# Allegro board RK3588S_Template_LP4XD200P232SD10H2_30X30_2133MHz_H1R6_V11_20220218YWQ.brd (continued)
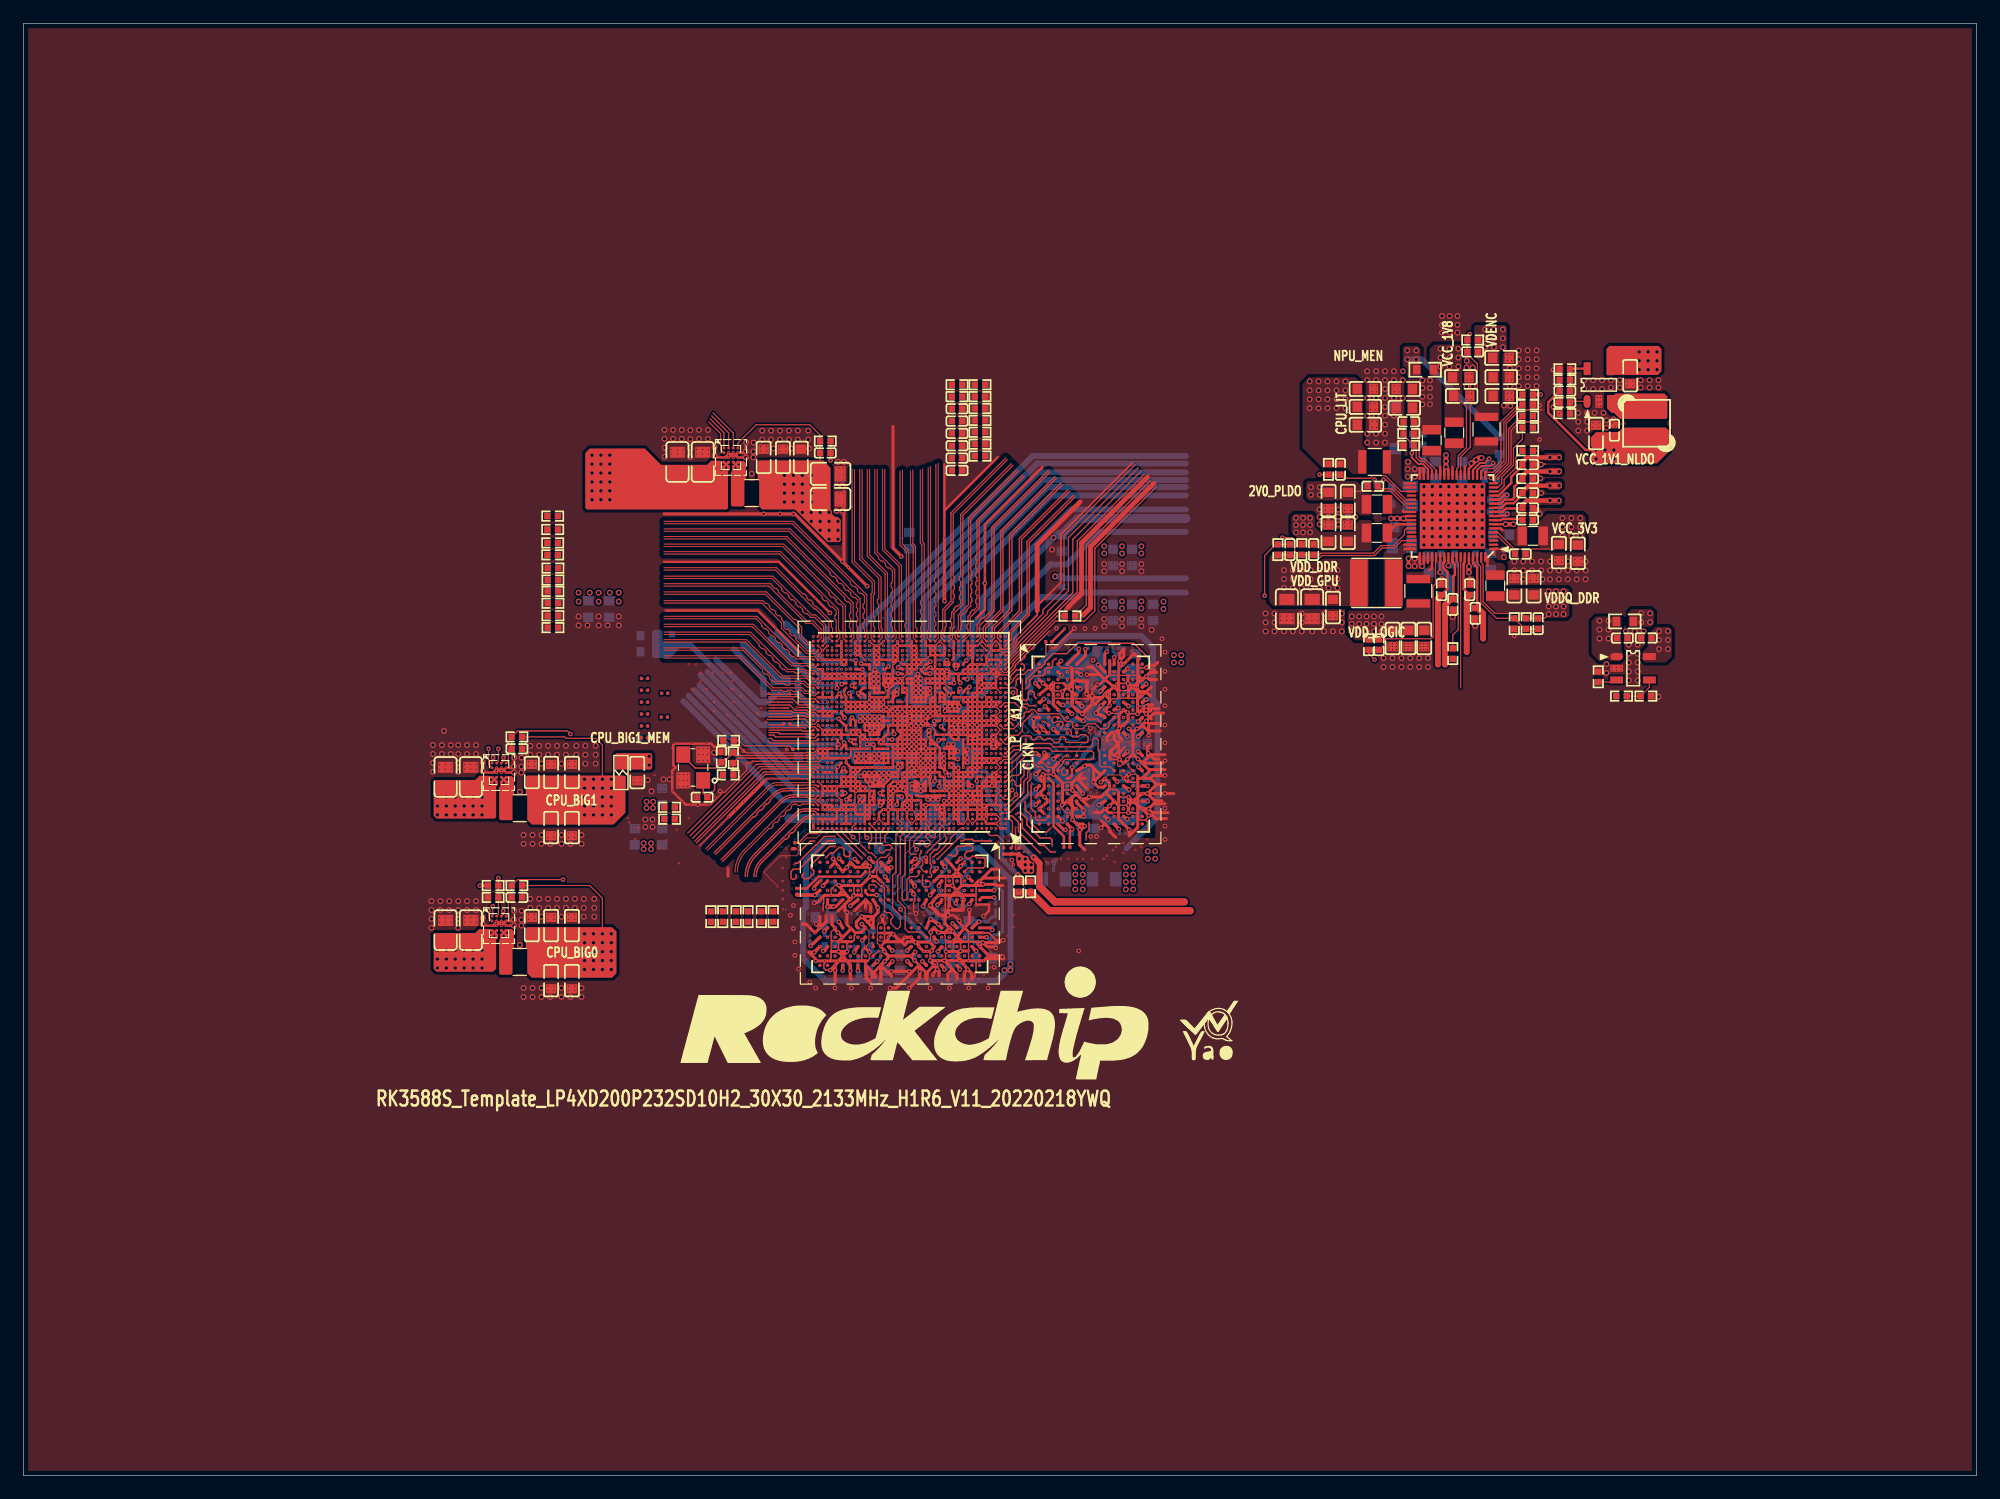
[diagram p0: board, top side]
## Routing (per net, layer and track width the routed paths; a pad name or vN(x,y) marks a point on that pad's centre or on a via; arc(x,y) is an arc through that point) (continued)
DDR_CH1_CLKP_C: length 11.1
  L3-S1 w0.066: v2(76.5,46.8) 76.5,46.51 76.44,46.45 76.36,46.45 75.95,46.86 75.95,47.97 75.68,48.24 75.5,48.24 75.44,48.31 75.44,48.65 75.5,48.72 75.65,48.72 75.82,48.88 75.82,48.98 75.82,48.98 75.82,49.32 75.82,49.32 75.82,49.39 75.61,49.6 75.61,50.04 75.48,50.17 75.48,50.62 75.61,50.75 75.61,52.87 75.83,53.09 75.83,56.04 v2(75.89,56.1)
DDR_CH1_CLKP_D: length 16.1
  L3-S1 w0.066: v2(75.09,56.1) 75.13,56.06 75.13,55.07 75.03,54.97 75.03,54.76 75.13,54.66 75.13,54.43 75.03,54.33 75.03,54.13 75.13,54.02 75.13,53.5 74.73,53.09 74.73,52.95 74.73,52.13 74.56,51.97 74.56,51.34 74.76,51.15 74.76,49.5 74.47,49.21 74.11,49.21 73.61,48.72 73.61,48.34 73.78,48.18 74.39,48.18 74.5,48.06 74.5,47.73 74.39,47.62 74.1,47.62 73.85,47.37 73.85,46.91 74.01,46.74 74.12,46.63 74.74,46.63 74.81,46.56 74.81,45.66 74.74,45.59 74.26,45.59 74.17,45.68 74.17,45.96 73.85,46.27 73.36,46.27 73.28,46.35 73.28,46.79 v2(73.29,46.8)
DDR_CH1_DM0_C: length 11.1
  L3-S1 w0.076: v3(80.31,50.5) 80.38,50.57 v2(80.38,50.8) ; v3(77.1,56.6) 77.11,56.6 77.41,56.9 v2(77.49,56.9)
  L8-S3 w0.076: v3(77.1,56.6) 77.18,56.53 77.18,56.03 76.49,55.35 76.49,53.8 76.64,53.65 76.64,53.56 76.64,53.56 76.64,52.53 77.85,51.32 77.85,50.16 78.23,49.78 79.59,49.78 v3(80.31,50.5)
DDR_CH1_DM0_D: length 13.4
  L3-S1 w0.076: v2(73.49,56.5) 73.24,56.24 v3(73.1,56.24) ; v3(68.98,52.25) 68.93,52.25 68.46,51.78 68.46,51.46 69.15,50.77 v2(69.31,50.77)
  L8-S3 w0.076: v3(68.98,52.25) 68.83,52.39 68.83,52.92 68.96,53.05 69.39,53.05 69.47,53.13 69.47,53.26 69.39,53.34 68.94,53.34 68.86,53.42 68.86,53.61 68.94,53.69 69.41,53.69 69.48,53.76 69.48,53.92 69.41,54 69.2,54 69.13,54.08 69.13,54.24 69.2,54.32 69.41,54.32 69.48,54.39 69.48,54.55 69.41,54.63 69.2,54.63 69.13,54.71 69.13,54.87 69.2,54.95 69.41,54.95 69.48,55.02 69.48,55.18 69.41,55.26 69.2,55.26 69.13,55.34 69.13,55.49 69.2,55.57 72.33,55.57 72.51,55.74 73.02,55.74 73.1,55.83 v3(73.1,56.24)
DDR_CH1_DM1_C: length 15.6
  L3-S1 w0.076: v2(80.43,45.17) v3(80.72,45.46) ; v2(79.09,56.5) 79.76,55.84 79.76,55.63 80.01,55.37 80.01,54.99 80.52,54.48 80.98,54.48 81.26,54.2 81.73,54.2 82.38,53.55 82.38,52.73 82.44,52.67 82.59,52.52 82.59,52.51 82.59,51.52 83.66,50.45 83.66,47.46 v3(83.57,47.37)
  L8-S3 w0.076: v3(83.57,47.37) 82.63,47.37 v3(80.72,45.46)
DDR_CH1_DM1_D: length 16.4
  TOP w0.127: v2(69.32,54.61) 68.45,54.61 67.69,53.85 67.67,53.85 66.17,52.34 66,52.34 v2(65.89,52.22)
  L3-S1 w0.076: v2(69.35,45.2) 69.09,45.46 68.83,45.46 68.75,45.38 68.75,45.29 68.67,45.21 68.52,45.21 68.44,45.29 68.44,45.38 68.36,45.46 68.08,45.46 66.14,47.39 66.14,49.43 65.66,49.91 65.66,52 v2(65.89,52.22) ; v2(69.32,54.61) 69.34,54.61 69.98,55.24 70.15,55.24 71,56.1 v2(71.09,56.1)
DDR_CH1_DQ0_C: length 11
  L3-S1 w0.076: v2(76.29,55.7) 76.34,55.75 76.46,55.75 76.58,55.63 76.58,55.47 76.66,55.39 76.88,55.39 76.96,55.31 76.96,55.11 76.88,55.03 76.42,55.03 76.34,54.96 76.34,54.84 76.42,54.76 76.99,54.76 77.44,54.31 77.44,54.13 77.57,54 77.75,54 77.85,53.9 77.85,53.72 77.98,53.59 78.16,53.59 78.49,53.27 78.49,53.08 78.85,52.72 79.13,52.72 79.2,52.78 79.63,52.78 79.71,52.71 79.71,52.53 79.84,52.41 80.22,52.41 80.31,52.5 80.43,52.5 80.63,52.3 80.63,52.18 80.46,52.01 80.46,51.91 80.55,51.82 80.55,51.72 80.48,51.66 80.39,51.66 80.3,51.74 80.19,51.74 80.08,51.63 80.08,51.52 80.26,51.34 80.49,51.34 80.6,51.44 80.65,51.44 80.77,51.56 80.77,51.88 80.85,51.96 80.97,51.96 81.05,51.88 v2(81.05,51.63)
DDR_CH1_DQ0_D: length 12.8
  L3-S1 w0.076: v3(70.38,52.45) 70.34,52.41 69.71,52.41 68.96,51.65 v2(68.7,51.65) ; v2(74.69,55.3) 74.68,55.28 74.68,53.89 v3(74.63,53.84)
  L8-S3 w0.076: v3(74.63,53.84) 75.3,53.84 75.44,53.97 75.44,55.42 75.23,55.63 74.6,55.63 74.2,55.23 72.75,55.23 72.52,54.99 72.01,54.99 70.69,53.67 70.69,53.03 70.7,53.02 70.7,52.77 v3(70.38,52.45)
DDR_CH1_DQ1_C: length 14.1
  TOP w0.127: v2(79.06,53.02) 79.27,53.02 79.38,52.92 79.59,52.92 79.81,53.14 79.81,53.35 79.7,53.45 79.7,53.67 79.81,53.77 80.47,53.77 80.54,53.85 80.96,53.85 81.11,53.7 81.11,53.48 80.97,53.34 80.64,53.34 80.43,53.13 80.43,52.92 80.65,52.7 80.86,52.7 81.09,52.93 81.31,52.93 81.44,52.79 82.05,52.79 82.17,52.67 82.17,52.08 82.02,51.93 80.73,51.93 U3801.C2
  L3-S1 w0.076: v2(79.06,53.02) 79.05,53.01 78.94,53.01 78.76,53.19 78.76,53.36 77.19,54.93 77.19,55.59 77.11,55.66 76.89,55.66 76.51,56.05 76.51,56.59 76.29,56.81 v2(76.29,56.9)
DDR_CH1_DQ1_D: length 12.9
  L3-S1 w0.076: v2(74.29,56.1) v3(74.29,55.8) ; v3(69.86,52.06) 69.4,51.6 v2(69.35,51.6)
  L8-S3 w0.076: v3(74.29,55.8) 73.98,55.48 72.63,55.48 72.46,55.31 71.07,55.31 70.99,55.23 70.99,55.14 70.91,55.06 70.76,55.06 70.68,55.14 70.68,55.23 70.6,55.31 69.82,55.31 69.74,55.23 69.74,55.07 69.82,54.99 70.41,54.99 70.48,54.91 70.48,54.75 70.41,54.67 69.82,54.67 69.74,54.6 69.74,54.44 69.82,54.36 70.53,54.36 70.61,54.28 70.61,54.12 70.53,54.04 69.82,54.04 69.74,53.97 69.74,53.81 69.82,53.73 70.07,53.73 70.15,53.65 70.15,53.49 70.07,53.41 69.87,53.41 69.8,53.34 69.8,53.16 70.02,52.94 70.02,52.23 69.86,52.07 v3(69.86,52.06)
DDR_CH1_DQ2_C: length 8.4
  L3-S1 w0.076: v3(77.24,53.83) 77.24,54.21 76.86,54.58 76.23,54.58 76.15,54.66 76.15,55.16 v2(76.29,55.3) ; v2(79.1,51.64) 79.12,51.65 79.68,51.65 79.76,51.73 79.76,51.93 79.68,52.01 79.18,52.01 79.06,52.13 79.06,52.15 78.87,52.33 78.86,52.33 78.1,53.09 v3(78.1,53.17)
  L8-S3 w0.076: v3(78.1,53.17) 78.33,52.95 78.44,52.95 78.73,53.24 78.73,53.35 77.97,54.11 77.73,54.11 77.45,53.83 v3(77.24,53.83)
DDR_CH1_DQ2_D: length 12
  L3-S1 w0.076: v2(70.65,51.63) 70.72,51.69 70.72,52.54 70.71,52.54 70.71,52.85 v3(71.03,53.17) ; v3(74.35,54.62) 74.35,55.3 74.69,55.64 v2(74.69,55.7)
  L8-S3 w0.076: v3(71.03,53.17) 71.03,53.52 71.11,53.59 71.91,53.59 72.09,53.41 72.2,53.41 72.32,53.52 72.32,53.64 72.06,53.89 72.06,54 72.17,54.12 72.28,54.12 72.41,53.99 72.52,53.99 72.63,54.1 72.63,54.21 72.5,54.34 72.5,54.6 72.88,54.97 74.31,54.97 74.71,55.37 75.1,55.37 75.18,55.29 75.18,55.01 75.1,54.93 75.01,54.93 74.93,54.86 74.93,54.7 75.01,54.62 75.1,54.62 75.18,54.54 75.18,54.23 75.1,54.15 74.83,54.15 v3(74.35,54.62)
DDR_CH1_DQ3_C: length 9.9
  L3-S1 w0.076: v2(76.29,57.3) 76.69,56.9 v3(76.7,56.9) ; v2(78.45,51.6) 78.36,51.69 78.36,52.31 v3(78.35,52.33)
  L8-S3 w0.076: v3(76.7,56.9) 76.74,56.94 77.3,56.94 77.47,56.77 77.47,55.97 76.83,55.33 76.83,55.22 76.91,55.14 77.39,55.14 77.47,55.06 77.47,54.91 77.39,54.83 76.91,54.83 76.83,54.75 76.83,54.59 76.91,54.51 77.39,54.51 77.47,54.43 77.47,54.28 77.39,54.2 76.91,54.2 76.83,54.12 76.83,53.98 76.89,53.92 76.89,53.69 77.05,53.54 77.05,53.34 77.23,53.15 77.52,53.15 v3(78.35,52.33)
DDR_CH1_DQ3_D: length 10.7
  L3-S1 w0.076: v3(71.07,51.94) 71.3,51.71 v2(71.3,51.6) ; v3(73,54.61) 73.09,54.7 v2(73.09,55.3)
  L8-S3 w0.076: v3(73,54.61) 73,54.1 72.66,53.76 72.66,53.16 72.58,53.09 72.14,53.09 71.88,52.83 71.88,52.48 71.96,52.41 72.56,52.41 72.66,52.3 72.66,51.87 72.52,51.73 72.52,51.56 72.6,51.48 72.73,51.48 72.9,51.31 72.9,50.77 72.67,50.54 71.94,50.54 71.77,50.71 71.77,50.82 72,51.05 72,51.3 71.92,51.38 71.74,51.38 71.66,51.46 71.66,51.62 71.74,51.7 71.86,51.7 71.94,51.78 71.94,51.89 71.76,52.07 71.63,52.07 71.5,51.94 v3(71.07,51.94)
DDR_CH1_DQ4_C: length 12.6
  L3-S1 w0.076: v2(78.45,50) 78.52,50 78.68,49.84 78.81,49.84 78.99,49.66 79.12,49.66 79.38,49.4 79.76,49.4 79.91,49.25 81.51,49.25 81.79,49.53 81.79,50.19 81.56,50.42 81.56,51.88 81.56,52.09 80.35,53.3 79.54,53.3 77.6,55.24 77.6,56 v2(77.49,56.1)
DDR_CH1_DQ4_D: length 13.1
  L3-S1 w0.076: v3(71.61,50.03) 71.33,50.03 v2(71.3,50) ; v3(73.99,56.37) 74.16,56.37 v2(74.29,56.5)
  L8-S3 w0.076: v3(73.99,56.37) 74.23,56.37 74.56,56.05 75.26,56.05 75.69,55.61 75.69,53.58 75.61,53.51 75.14,53.51 75.06,53.43 75.06,53.27 75.14,53.19 75.61,53.19 75.69,53.11 75.69,52.72 75.51,52.55 75.4,52.55 75.08,52.87 74.97,52.87 74.86,52.76 74.86,52.65 75.18,52.32 75.18,52.21 74.74,51.77 74.74,51.37 74.04,50.67 73.53,50.67 72.88,50.03 v3(71.61,50.03)
DDR_CH1_DQ5_C: length 8.8
  L3-S1 w0.076: v2(79.1,50) v3(78.89,50.22) ; v2(77.89,56.1) 78.27,55.72 v3(78.33,55.72)
  L8-S3 w0.076: v3(78.89,50.22) 78.16,50.94 78.16,51.46 78.36,51.66 78.83,51.66 79.18,52.01 79.54,52.01 79.74,52.21 79.74,52.22 79.74,52.72 77.85,54.61 77.85,55.24 v3(78.33,55.72)
DDR_CH1_DQ5_D: length 11.3
  L3-S1 w0.076: v3(74.04,53.59) 74.04,53.79 73.85,53.97 73.85,54.94 v2(73.09,55.7) ; v3(70.44,49.74) v2(70.65,49.96)
  L8-S3 w0.076: v3(70.44,49.74) 70.57,49.87 71.04,49.87 71.12,49.95 71.12,50.55 71.28,50.71 71.41,50.71 71.83,50.28 72.78,50.28 73.15,50.66 73.15,51.31 73.38,51.54 73.96,51.54 74.04,51.46 74.04,51.31 74.12,51.23 74.23,51.23 74.48,51.48 74.48,52.85 74.04,53.3 v3(74.04,53.59)
DDR_CH1_DQ6_C: length 12.7
  L3-S1 w0.076: v2(80.4,50) 80.47,49.93 80.47,49.86 80.39,49.78 80.14,49.78 80.01,49.91 80.01,50.14 79.93,50.22 79.68,50.22 79.4,49.94 79.4,49.74 79.48,49.66 79.88,49.66 80.01,49.53 80.73,49.53 80.8,49.61 80.8,50.32 81.31,50.83 81.31,51.98 80.25,53.04 79.43,53.04 79.39,53.09 77.39,55.09 77.39,55.76 77.27,55.88 77.27,56.28 v2(77.49,56.5)
DDR_CH1_DQ6_D: length 15.1
  TOP w0.127: v2(68.57,52.81) 68.98,53.21 69.21,53.21 69.67,53.67 69.95,53.67 70.1,53.52 70.1,53.04 70.26,52.89 70.52,52.89 70.61,52.98 v2(70.61,53.3)
  L3-S1 w0.076: v2(68.57,52.81) 68.52,52.81 68.11,52.4 68.11,52.11 68.2,52.02 68.2,51.37 68.96,50.6 68.96,49.79 69.58,49.18 69.75,49.18 70.1,49.53 70.1,49.79 69.85,50.04 69.37,50.04 v2(69.31,49.98) ; v2(70.61,53.3) 70.61,53.44 70.69,53.51 71.68,53.51 71.77,53.43 71.91,53.43 72.01,53.53 72.01,53.72 72.64,54.36 72.64,54.86 72.71,54.93 72.83,54.93 72.9,55 72.9,55.09 72.83,55.16 72.71,55.16 72.64,55.23 72.64,55.37 72.77,55.5 72.77,55.69 73.01,55.93 73.41,55.93 73.49,56 v2(73.49,56.1)
DDR_CH1_DQ7_C: length 11.3
  L3-S1 w0.076: v3(81.33,50.17) 81.22,50.17 v2(81.05,50) ; v2(77.89,56.5) 77.89,56.71 v3(77.98,56.79)
  L8-S3 w0.076: v3(77.98,56.79) 78.53,56.24 81.67,56.24 82.19,55.71 82.19,55.5 82.29,55.4 82.29,51.31 81.33,50.34 v3(81.33,50.17)
DDR_CH1_DQ7_D: length 14.5
  L3-S1 w0.076: v2(68.7,50) 68.61,50.09 68.5,50.09 68.33,49.92 68.33,49.58 68.4,49.5 68.47,49.5 68.54,49.42 68.54,49.26 68.39,49.11 68.24,49.11 67.99,49.36 67.99,49.91 67.88,50.02 67.88,50.63 67.96,50.71 68.16,50.71 68.27,50.82 68.27,50.93 67.82,51.38 67.52,51.38 67.45,51.46 67.45,51.59 67.52,51.67 67.86,51.67 67.94,51.74 67.94,51.86 67.86,51.93 67.52,51.93 67.45,52.01 67.45,52.15 67.53,52.23 67.78,52.23 67.86,52.31 67.86,52.56 68.36,53.06 69.85,53.06 70,53.21 70.12,53.21 70.3,53.4 70.3,53.52 70.51,53.73 71.75,53.73 72.43,54.41 72.43,54.6 72.32,54.72 72.32,54.92 72.42,55.02 72.42,55.52 72.52,55.63 72.52,55.85 72.69,56.03 v2(72.69,56.1)
DDR_CH1_DQ8_C: length 17.4
  L3-S1 w0.076: v2(80.29,56.5) 80.53,56.26 81.03,56.26 81.1,56.33 81.57,56.33 82.08,55.82 82.08,55.59 82.23,55.43 82.23,54.29 82.89,53.63 82.89,53.1 83.31,52.68 83.31,52.09 83.39,52.01 83.74,52.01 83.82,51.93 83.82,51.78 83.74,51.7 83.34,51.7 83.18,51.55 83.18,51.39 83.26,51.31 83.74,51.31 83.82,51.23 83.82,50.68 83.92,50.58 83.92,46.89 83.15,46.12 83.04,46.12 82.92,46.24 82.81,46.24 82.7,46.12 82.7,46.01 82.82,45.9 82.82,45.78 81.43,44.4 v2(81.05,44.4)
DDR_CH1_DQ8_D: length 17
  TOP w0.127: v2(66.43,53.42) 67.22,54.21 v2(67.56,54.21)
  L3-S1 w0.076: v2(70.69,56.5) 70.26,56.07 70.26,55.95 70.04,55.73 69.78,55.73 69.12,55.06 69.12,55.06 68.76,54.7 68.55,54.7 68.05,54.21 v2(67.56,54.21) ; v2(68.7,44.4) 68.25,44.4 67.94,44.7 67.94,45.21 65.89,47.27 65.89,48.03 65.15,48.77 65.15,52.32 66.24,53.42 v2(66.43,53.42)
DDR_CH1_DQ9_C: length 16.4
  L3-S1 w0.076: v2(79.49,55.7) 79.49,55.64 79.86,55.27 79.86,54.82 80.45,54.23 80.9,54.23 81.15,53.98 81.68,53.98 82.12,53.53 82.12,52.63 82.33,52.41 82.33,52.41 82.33,51.4 82.9,50.83 82.9,50.72 82.82,50.64 82.82,50.53 82.93,50.42 83.04,50.42 83.12,50.5 83.23,50.5 83.4,50.33 83.4,49.02 83.32,48.94 83.26,48.94 83.18,48.86 83.18,48.71 83.26,48.63 83.32,48.63 83.4,48.55 83.4,48.39 83.32,48.31 83.26,48.31 83.18,48.23 83.18,48.08 83.26,48 83.32,48 83.4,47.92 83.4,47.75 81.84,46.19 81.84,45.9 81.06,45.12 81.06,44.85 80.98,44.77 80.87,44.77 80.72,44.92 80.61,44.92 80.5,44.81 80.5,44.69 80.67,44.52 80.67,44.4 80.59,44.33 80.48,44.33 v2(80.4,44.4)
DDR_CH1_DQ9_D: length 20.5
  L3-S1 w0.076: v2(72.69,56.5) 72.46,56.5 v3(72.39,56.57) ; v3(69.12,44.63) v2(69.35,44.4)
  L8-S3 w0.076: v3(72.39,56.57) 72.38,56.58 71.85,56.58 71.4,56.13 69.72,56.13 69.43,56.42 67.18,56.42 65.15,54.4 65.15,48.77 69.12,44.8 v3(69.12,44.63)
DDR_CH1_DQ10_C: length 18.4
  TOP w0.127: v2(82.68,54.23) 81.21,54.23 81.08,54.36 80.42,54.36 80.29,54.23 v2(80.14,54.23)
  L3-S1 w0.076: v2(79.1,44.4) 79.44,44.07 81.47,44.07 84.17,46.77 84.17,50.68 84.07,50.78 84.07,52.07 83.57,52.58 83.57,52.79 83.15,53.21 83.15,53.76 v2(82.68,54.23) ; v2(80.14,54.23) 79.63,54.74 79.63,55.16 v2(79.49,55.3)
DDR_CH1_DQ10_D: length 20.9
  L3-S1 w0.076: v2(72.69,56.9) 72.26,56.9 71.97,56.6 71.97,55.66 72.14,55.5 72.14,55.02 71.09,53.98 70.39,53.98 69.74,53.32 68.25,53.32 67.19,52.26 67.19,49.49 67.4,49.28 67.67,49.28 68.17,48.79 68.43,48.79 68.58,48.94 69.46,48.94 69.75,48.65 69.75,48.25 70.48,47.52 70.48,47.38 72,45.87 72,45.61 71.67,45.28 71.67,44.4 71.43,44.16 70.9,44.16 v2(70.65,44.4)
DDR_CH1_DQ11_C: length 16.4
  L3-S1 w0.076: v2(80.29,56.1) 80.07,55.88 80.07,55.61 80.26,55.42 80.26,55.12 80.64,54.74 81.04,54.74 81.36,54.42 81.78,54.42 82.63,53.57 82.63,52.84 v3(82.93,52.54) ; v3(78.49,45.13) 78.49,44.43 v2(78.45,44.4)
  L8-S3 w0.076: v3(78.49,45.13) 78.49,45.38 78.34,45.52 78.34,45.96 78.99,46.6 78.99,47.24 79.33,47.58 79.33,48.09 80.13,48.89 80.13,49.17 80.41,49.44 81.11,49.44 81.23,49.33 81.72,49.33 82.16,49.78 82.16,50.17 82.55,50.56 82.55,52.16 v3(82.93,52.54)
DDR_CH1_DQ11_D: length 18.6
  L3-S1 w0.076: v2(71.49,56.9) 71.75,56.64 71.75,55.5 71.88,55.37 71.88,55 71.66,54.78 71.55,54.78 70.99,54.22 70.32,54.22 69.62,53.52 68.09,53.52 66.93,52.36 66.93,48.98 68.03,47.88 68.15,47.88 68.53,47.5 68.74,47.5 69.25,46.98 70.08,46.98 70.91,46.16 70.91,46.02 71.41,45.52 71.41,44.51 v2(71.3,44.4)
DDR_CH1_DQ12_C: length 13.6
  L3-S1 w0.076: v3(81.78,53.09) 81.66,53.09 80.77,53.98 79.88,53.98 79.41,54.45 79.41,55.07 79.27,55.21 79.27,55.92 v2(79.09,56.1) ; v3(78.64,47.46) 78.75,47.36 78.75,47.12 78.61,46.99 78.61,46.74 78.7,46.65 78.7,46.44 78.45,46.2 v2(78.45,46)
  L8-S3 w0.076: v3(78.64,47.46) 78.64,47.98 78.88,48.21 78.88,48.78 79.5,49.4 79.88,49.4 81.78,51.3 v3(81.78,53.09)
DDR_CH1_DQ12_D: length 15.8
  L3-S1 w0.076: v2(71.49,55.7) 71.23,55.7 70.27,54.74 70.15,54.74 69.42,54 69.24,54 68.96,53.72 67.93,53.72 66.68,52.47 66.68,51.82 66.31,51.45 v3(66.31,50.8) ; v2(71.3,46) 71.3,46.13 70.1,47.33 70.1,47.52 69.53,48.09 68.35,48.09 67.91,48.53 v3(67.86,48.53)
  L8-S3 w0.076: v3(66.31,50.8) 66.67,50.43 66.67,49.28 67.42,48.53 v3(67.86,48.53)
DDR_CH1_DQ13_C: length 17.2
  L3-S1 w0.076: v2(79.09,56.9) 79.24,56.9 v3(79.44,56.7) ; v2(79.1,46.05) 79.15,46.1 79.5,46.1 79.88,46.48 79.88,46.74 80.39,47.24 v3(80.39,47.88)
  L8-S3 w0.076: v3(80.39,47.88) 80.39,48.86 80.69,49.16 81.04,49.16 81.12,49.07 81.82,49.07 82.42,49.68 82.42,50.07 83.27,50.91 83.27,52.75 82.68,53.34 82.68,55.38 82.45,55.6 82.45,55.89 82.56,55.99 82.56,56.26 82.3,56.52 81.53,56.52 81.13,56.92 80.39,56.92 80.15,56.68 79.46,56.68 v3(79.44,56.7)
DDR_CH1_DQ13_D: length 16.2
  L3-S1 w0.076: v2(70.65,46.05) 69.98,46.73 69.15,46.73 68.63,47.24 68.3,47.24 v3(68.01,47.54) ; v3(65.8,49.23) 65.41,49.63 65.41,52.2 65.73,52.52 66.36,52.52 67.82,53.98 68.2,53.98 68.71,54.48 68.84,54.48 69.86,55.5 70.09,55.5 v2(70.69,56.1)
  L8-S3 w0.076: v3(68.01,47.54) 66.32,49.23 v3(65.8,49.23)
DDR_CH1_DQ14_C: length 15.6
  L3-S1 w0.076: v2(77.89,55.3) 79.63,53.55 80.46,53.55 81.82,52.2 81.82,51.13 82.11,50.84 82.11,50.84 82.3,50.65 82.3,50.39 82.3,50.38 82.3,50.16 82.22,50.08 82.12,50.08 82.04,50 82.04,49.84 82.12,49.77 82.22,49.77 82.3,49.69 82.3,49.65 82.29,49.64 82.29,49.53 82.22,49.45 82.12,49.45 82.04,49.37 82.04,49.21 82.12,49.14 82.22,49.14 82.3,49.06 82.3,48.64 82.22,48.56 82.11,48.56 81.71,48.96 81.6,48.96 81.49,48.85 81.49,48.74 81.88,48.34 81.88,48.23 81.7,48.04 81.58,48.04 81.36,48.26 81.25,48.26 81.14,48.15 81.14,48.04 81.23,47.94 81.23,47.83 81.12,47.72 81.01,47.72 81,47.74 80.88,47.74 80.77,47.63 80.77,47.51 80.92,47.37 80.92,47.26 80.77,47.12 80.63,47.12 80.14,46.63 80.14,46.1 80.24,46 v2(80.4,46)
DDR_CH1_DQ14_D: length 16.9
  TOP w0.127: v2(69.21,54.24) 68.72,54.24 66.29,51.82 65.79,51.82 65.58,51.61 65.58,51.08 65.71,50.95 65.89,50.95 66.01,51.08 v2(66.01,51.31)
  L3-S1 w0.076: v2(69.21,54.24) 69.36,54.24 70.1,54.99 70.2,54.99 71.09,55.88 71.27,55.88 v2(71.49,56.1) ; v2(69.35,46) 69.1,45.74 68.18,45.74 66.4,47.52 66.4,49.53 65.97,49.97 65.97,51.26 v2(66.01,51.31)
DDR_CH1_DQ15_C: length 16.4
  L3-S1 w0.076: v2(81.13,45.99) 80.99,45.86 80.99,45.75 81.09,45.64 81.2,45.64 81.57,46.01 81.57,46.12 81.26,46.42 81.26,46.54 81.4,46.68 81.59,46.68 81.72,46.55 81.84,46.55 81.92,46.63 81.92,46.74 81.79,46.88 81.79,46.99 81.85,47.05 81.86,47.05 81.91,47.1 82.01,47.1 82.14,46.96 82.25,46.96 82.37,47.07 82.37,47.19 82.21,47.34 82.21,47.45 82.33,47.56 82.44,47.56 82.59,47.41 82.7,47.41 82.93,47.64 82.93,48.13 82.85,48.21 82.63,48.21 82.55,48.28 82.55,48.44 82.63,48.52 82.85,48.52 82.93,48.6 82.93,48.76 82.85,48.84 82.64,48.84 82.56,48.91 82.56,49.26 82.55,49.27 82.55,49.54 82.56,49.54 82.56,50.76 82.22,51.1 82.21,51.1 82.08,51.23 82.08,51.66 82.08,52.3 80.6,53.77 79.7,53.77 78.11,55.37 78.11,55.48 v2(77.89,55.7)
DDR_CH1_DQ15_D: length 16.5
  TOP w0.127: v2(69.34,53.76) 68.88,53.76 67.26,52.14 67.26,51.93 67.52,51.67 67.52,51.45 67.08,51.01 66.7,51.01 66.55,51.16 66.55,51.33 v2(66.66,51.44)
  L3-S1 w0.076: v2(66.66,51.44) 66.66,48.59 66.81,48.44 67.1,48.44 67.18,48.36 67.18,48.2 67.1,48.12 66.81,48.12 66.74,48.04 66.74,47.66 66.85,47.55 66.96,47.55 67.42,48.01 67.53,48.01 67.64,47.9 67.64,47.78 67.18,47.32 67.18,47.12 68.3,46 v2(68.7,46) ; v2(69.34,53.76) 69.51,53.76 70.23,54.48 70.36,54.48 71.18,55.3 v2(71.49,55.3)
DDR_CH1_DQS0N_C: length 7.5
  L3-S1 w0.066: v2(80.69,55.7) 80.69,55.65 80.78,55.56 80.93,55.56 81.08,55.41 81.28,55.41 v3(81.48,55.61)
  L3-S1 w0.069: v3(78.99,51.07) 79.08,50.98 v2(79.08,50.77)
  L8-S3 w0.066: v3(78.99,51.07) 79.19,51.26 79.19,51.37 79.39,51.57 80.08,51.57 80.73,52.23 80.73,53.01 80.62,53.12 80.62,53.31 80.73,53.42 80.73,55.07 81.06,55.41 81.28,55.41 v3(81.48,55.61)
DDR_CH1_DQS0N_D: length 7.6
  L3-S1 w0.069: v2(67.89,55.3) 67.65,55.3 v3(67.58,55.23) ; v3(70.45,51.07) 70.63,50.88 v2(70.63,50.77)
  L8-S3 w0.066: v3(67.58,55.23) 67.39,55.43 67.32,55.43 67.25,55.36 67.25,54.99 67.75,54.49 67.75,52.47 68.54,51.69 68.78,51.69 68.78,51.69 69.49,51.69 69.5,51.68 69.5,51.68 69.7,51.48 70.01,51.48 70.17,51.33 70.17,51.26 70.22,51.2 70.22,51.19 70.35,51.07 v3(70.45,51.07)
DDR_CH1_DQS0P_C: length 7.1
  L3-S1 w0.066: v3(81.48,55.04) 81.28,55.24 81.01,55.24 80.86,55.39 80.78,55.39 v2(80.69,55.3)
  L3-S1 w0.069: v3(79.56,51.07) 79.73,50.9 v2(79.73,50.77)
  L8-S3 w0.066: v3(81.48,55.04) 81.28,55.24 81.14,55.24 80.9,55 80.9,52.15 80.15,51.4 79.46,51.4 79.36,51.3 79.36,51.26 v3(79.56,51.07)
DDR_CH1_DQS0P_D: length 7.7
  L3-S1 w0.069: v3(69.88,51.07) 69.97,50.98 69.97,50.79 v2(69.98,50.77) ; v2(67.89,55.7) 67.68,55.7 v3(67.58,55.8)
  L8-S3 w0.066: v3(67.58,55.8) 67.39,55.6 67.25,55.6 67.08,55.44 67.08,54.91 67.58,54.42 67.58,52.4 68.47,51.52 68.7,51.52 68.71,51.52 69.42,51.52 69.43,51.51 69.43,51.51 69.63,51.31 69.63,51.31 69.63,51.31 69.94,51.31 69.99,51.26 69.99,51.18 v3(69.88,51.07)
DDR_CH1_DQS1N_C: length 13.6
  L3-S1 w0.066: v2(82.69,55.3) 82.83,55.16 82.83,55.09 83.23,54.69 83.3,54.69 83.87,54.12 83.87,53.98 83.8,53.92 v3(83.68,53.92)
  L3-S1 w0.069: v2(79.1,45.15) 79.15,45.19 v3(79.15,45.45)
  L8-S3 w0.066: v3(79.15,45.45) 79.35,45.65 79.35,45.81 79.8,46.27 79.8,46.46 81.65,48.31 81.99,48.31 82.09,48.41 82.3,48.41 82.4,48.31 82.63,48.31 82.77,48.44 82.77,48.59 82.9,48.73 83.05,48.73 83.88,49.55 83.88,53.22 83.88,53.72 v3(83.68,53.92)
DDR_CH1_DQS1N_D: length 15.1
  L3-S1 w0.066: v3(66.92,54.2) 66.72,54.39 66.72,54.48 66.83,54.59 67.99,54.59 68.77,55.37 68.99,55.37 69.74,56.11 69.88,56.11 v2(69.89,56.1)
  L3-S1 w0.069: v2(70.63,45.17) 70.59,45.22 v3(70.59,45.48)
  L8-S3 w0.066: v3(66.92,54.2) 66.72,54 66.72,52.77 68.37,51.12 68.6,51.12 69.14,50.58 69.14,50.58 69.26,50.46 69.26,49.62 69.39,49.49 69.39,49.49 69.58,49.29 69.59,49.29 70.02,48.85 70.02,47.99 70.22,47.79 70.22,47.79 70.39,47.62 70.39,45.67 v3(70.59,45.48)
DDR_CH1_DQS1P_C: length 13.4
  L3-S1 w0.066: v2(83.09,55.3) 83,55.21 83,55.16 83.3,54.86 83.37,54.86 84.04,54.19 84.04,54.03 84.16,53.92 v3(84.25,53.92)
  L3-S1 w0.069: v2(79.75,45.15) 79.71,45.19 v3(79.71,45.45)
  L8-S3 w0.066: v3(84.25,53.92) 84.05,53.72 84.05,53.57 84.05,49.48 82.7,48.13 81.72,48.13 79.98,46.39 79.98,46.2 79.52,45.74 79.52,45.64 v3(79.71,45.45)
DDR_CH1_DQS1P_D: length 15.5
  L3-S1 w0.066: v3(66.35,54.2) 66.55,54.4 66.55,54.55 66.76,54.76 67.85,54.76 67.92,54.76 68.69,55.54 68.92,55.54 69.66,56.28 69.67,56.28 v2(69.89,56.5)
  L3-S1 w0.069: v3(70.02,45.48) 70.02,45.22 v2(69.98,45.17)
  L8-S3 w0.066: v3(66.35,54.2) 66.55,54 66.55,52.7 68.29,50.95 68.53,50.95 68.96,50.51 68.96,50.51 69.09,50.38 69.09,49.55 69.21,49.42 69.21,49.41 69.49,49.14 69.49,49.14 69.85,48.78 69.85,47.92 70.15,47.62 70.15,47.62 70.22,47.55 70.22,45.67 v3(70.02,45.48)
DDR_CH1_LP4/4X_CKE0/LP5_CS0_C: length 6.9
  TOP w0.107: U1000.A18 77.09,55.15 76.07,54.13 76.07,53.77 v1(76.32,53.52)
  BOTTOM w0.107: R3814.1 75.59,49.77 75.69,49.87 75.69,52.89 v1(76.32,53.52)
DDR_CH1_LP4/4X_CKE0/LP5_CS0_D: length 8.2
  TOP w0.107: v1(70.89,54.56) 70.29,55.15 U1000.A35
  BOTTOM w0.107: v1(70.89,54.56) 71.35,54.09 73.8,54.09 74.55,53.34 74.55,50.52 R3816.2
DDR_CH1_LP4/4X_CKE1/LP5_CS1_C: length 9.7
  TOP w0.127: v1(79.09,54.94) U1000.A13
  BOTTOM w0.107: v1(79.09,54.94) 78.94,54.94 77.9,53.9 76.12,53.9 75.31,53.09 75.31,50.02 75.06,49.77 75.06,49.12 R3815.1
DDR_CH1_LP4/4X_CKE1/LP5_CS1_D: length 8.2
  TOP w0.107: U1000.A31 71.89,54.67 v1(72.07,54.49)
  BOTTOM w0.107: v1(72.07,54.49) 74.03,54.49 74.93,53.59 74.93,50.26 R3817.2
DDR_CH1_LP4/4X_CS0_C: length 10.8
  TOP w0.107: v2(77.34,51.16) 77.39,51.11 77.53,51.11 77.6,51.18 77.6,51.36 77.47,51.49 77.47,51.82 77.57,51.92 77.57,52.19 77.47,52.29 77.47,53.09 77.85,53.47 78.04,53.47 78.26,53.69 78.26,53.88 78.39,54.01 78.58,54.01 78.83,54.25 78.83,54.58 78.67,54.74 78.67,55.32 U1000.B15
  L3-S1 w0.064: v2(77.34,51.16) 77.44,51.06 77.44,50.93 77.38,50.87 77.38,50.73 77.44,50.67 77.44,50.52 77.34,50.43 77.34,50.17 77.92,49.59 77.92,49.5 77.86,49.45 77.78,49.45 77.72,49.39 77.72,49.31 77.78,49.26 77.93,49.26 77.98,49.2 77.98,49.12 77.92,49.06 77.63,49.06 77.57,49.12 77.57,49.21 77.51,49.28 77.38,49.28 77.32,49.21 77.32,49.12 77.25,49.06 77.18,49.06 77.1,49.14 77.1,49.8 77.18,49.88 77.18,49.97 v2(77.15,50)
DDR_CH1_LP4/4X_CS0_D: length 11.2
  TOP w0.107: U3801.R4 72.58,49.98 72.41,49.98 72.22,50.17 72.22,50.37 72.34,50.49 72.7,50.49 72.87,50.32 v2(72.87,50.27) ; U1000.B30 72.76,55.23 72.85,55.14 72.85,53.91 v2(72.79,53.85)
  L3-S1 w0.064: v2(72.79,53.85) 72.85,53.78 72.97,53.78 73.03,53.85 73.03,54.18 72.94,54.27 72.82,54.27 72.48,53.94 72.48,53.26 72.53,53.21 72.64,53.21 72.71,53.28 72.71,53.52 72.77,53.59 72.88,53.59 72.96,53.51 72.96,53.27 73.1,53.13 73.1,52.51 73.05,52.45 73.05,51.53 73.09,51.48 73.09,50.94 73.17,50.86 73.17,50.77 73.11,50.7 72.93,50.7 72.87,50.65 72.87,50.57 72.93,50.51 73.18,50.51 73.25,50.44 73.25,50.26 72.98,49.99 72.87,49.99 72.81,50.05 72.81,50.2 v2(72.87,50.27)
DDR_CH1_LP4/4X_CS1_C: length 9
  TOP w0.107: U1000.A19 76.69,55.29 75.72,54.32 75.72,53.21 75.84,53.09 76.21,53.09 v2(76.24,53.12) ; U3801.H3 77.37,50.8 77.49,50.68 77.49,50.43 77.37,50.31 76.94,50.31 76.82,50.43 76.82,51.26 v2(76.83,51.28)
  L3-S1 w0.064: v2(76.24,53.12) 76.29,53.17 76.47,53.17 76.53,53.11 76.53,52.5 76.64,52.39 76.64,52.31 76.57,52.24 76.52,52.24 76.41,52.13 76.41,51.91 76.41,51.83 76.41,51.83 76.41,51.73 76.33,51.65 76.15,51.65 76.09,51.59 76.09,51.46 76.15,51.4 76.47,51.4 76.53,51.34 76.53,51.08 76.59,51.02 76.76,51.02 76.83,51.09 v2(76.83,51.28)
DDR_CH1_LP4/4X_CS1_D: length 14.8
  TOP w0.107: U1000.A23 75.09,55.29 74.55,54.75 74.55,51.56 74.27,51.28 74.27,48.51 74.93,47.85 74.93,46.94 74.73,46.74 74.55,46.74 74.11,47.18 74.11,47.5 74.28,47.67 74.28,47.85 74.02,48.1 73.71,48.1 73.57,48.24 73.57,50.2 73.41,50.36 73.25,50.36 72.81,50.8 U3801.R3
DDR_RESET: length 64.6
  TOP w0.107: U1000.AG1 83.98,65.79 v2(84.2,65.79)
  TOP w0.122: v2(96.14,69.85) 94.87,71.12 90.04,71.12 89.15,70.23 87.95,70.23 87.28,69.56 87.28,69.37 86.92,69.01 86.67,69.01 85.66,68.01 v2(85.66,67.75)
  L3-S1 w0.064: v3(95.18,59.71) 95.39,59.71 96.65,60.96 96.65,69.34 v2(96.14,69.85) ; v3(95.18,59.71) 94.92,59.71 v2(94.79,59.57) ; v3(95.18,59.71) 95.18,59.68 95.38,59.48 95.38,58.16 95.54,58 95.54,57.37 95.83,57.08 95.83,54.68 94.97,53.82 94.08,53.82 91.57,51.31 91.57,49.78 90.97,49.19 87.72,49.19 81.08,42.55 73.41,42.55 72.09,43.87 v3(72.09,44.01) 71.95,44.14 v2(71.95,44.4) ; v2(84.2,65.79) 84.58,65.79 85.43,66.64 85.43,67.53 v2(85.66,67.75)